# Altium PCB top_g.PcbDoc
Units mil, origin at the board's own origin, x right, y up, seen from the top; angles counter-clockwise.
Board outline 3000 x 4000 mil, 2 copper layers (Top Layer, Bottom Layer); 8 components, 29 nets, 79 pads, 4 vias.
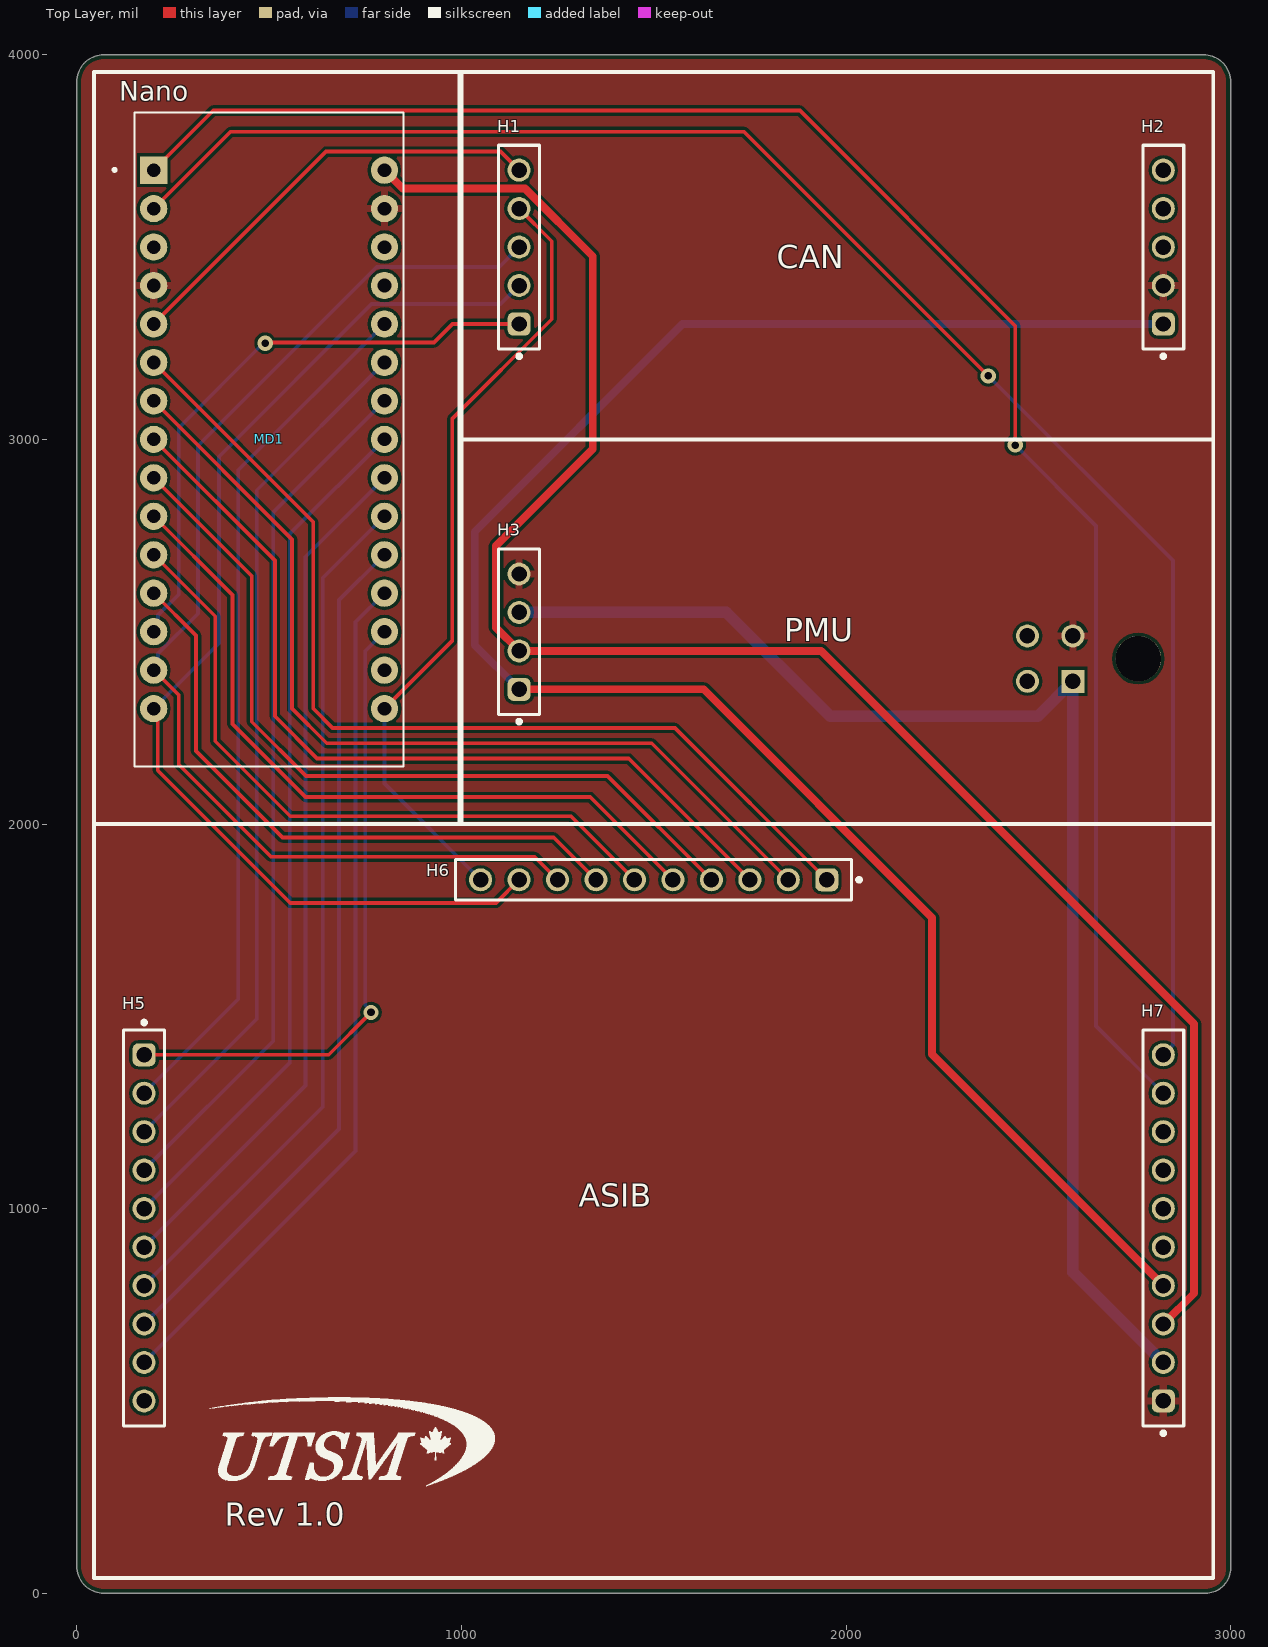
[diagram p0: Top Layer view]
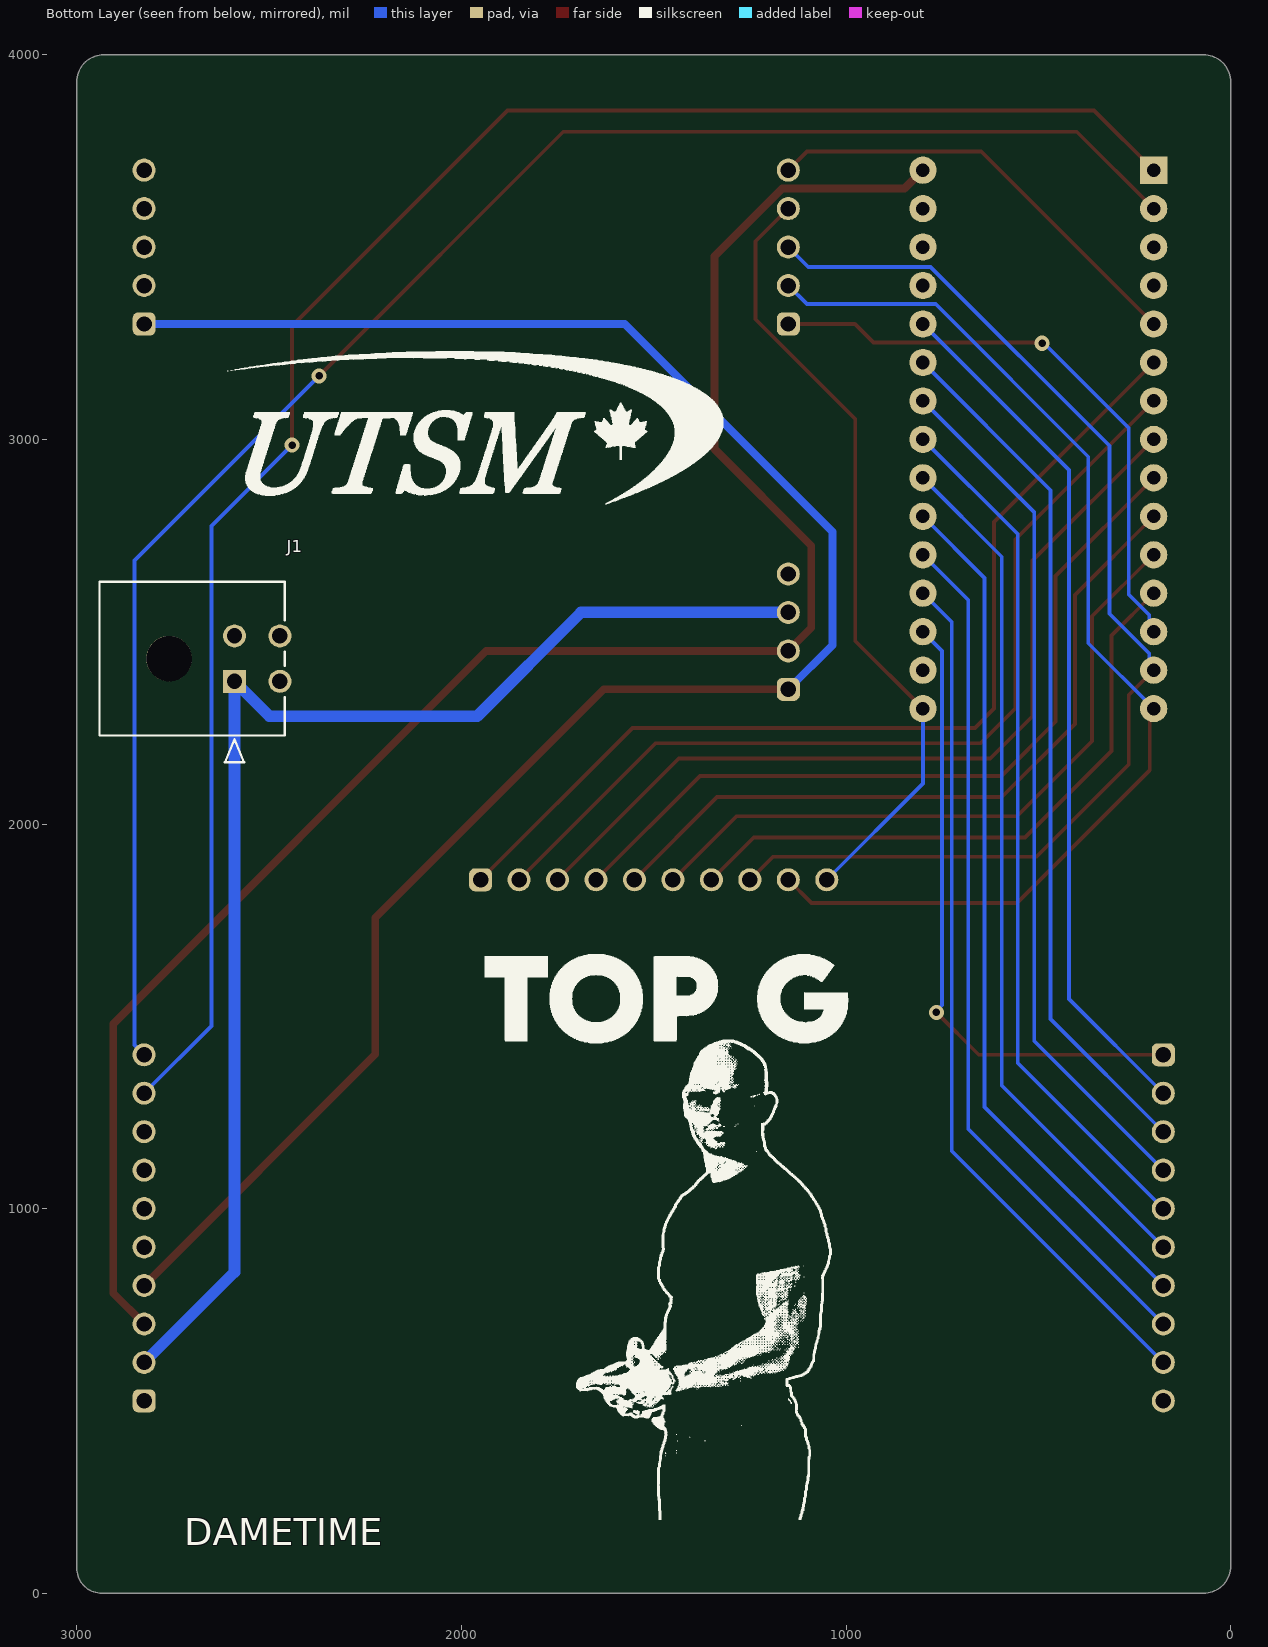
[diagram p1: Bottom Layer view, seen from below]

## Layer stack, top to bottom
Top Solder: solder mask 0.4, Solder Resist, Dk 3.5
Top Layer: signal copper 1.4
Dielectric 1: dielectric 12.6, FR-4, Dk 4.8
Bottom Layer: signal copper 1.4
Bottom Solder: solder mask 0.4, Solder Resist, Dk 3.5

## Board outline
0,70 0,3930 cw(c70,3930) 70,4000 2930,4000 cw(c2930,3930) 3000,3930 3000,65 cw(c2935,65) 2935,0 70,0 cw(c70,70)

## Design rules (kind name [scope] priority, off if disabled: settings)
BoardOutlineClearance [All] p1: gap=11.81 ignorepadtopadclearanceinfootprint=FALSE except(15.75: Arc-SplitBarrior Arc-SplitContinuation Track-SplitBarrior Track-SplitContinuation SMDPad-SplitBarrior SMDPad-SplitContinuation THPad-SplitBarrior THPad-SplitContinuation Via-SplitBarrior Via-SplitContinuation Fill-SplitBarrior Fill-SplitContinuation Poly-SplitBarrior Poly-SplitContinuation Region-SplitBarrior Region-SplitContinuation Text-SplitBarrior Text-SplitContinuation)
Clearance "Clearance Different Nets" [All] p1: gap=7.87 ignorepadtopadclearanceinfootprint=FALSE except(3.5: Arc-Arc Arc-Track Arc-SMDPad Track-Track Track-SMDPad; 5: SMDPad-SMDPad SMDPad-Via THPad-Via Via-Via; 10: Arc-Via Arc-Text Track-Via Track-Text SMDPad-Text THPad-Text Via-Text Fill-Text Poly-Text Region-Text Text-Text; 19.68: THPad-THPad Via-Hole)
Clearance "Clearance Same Nets" [All] p2: gap=7.87 ignorepadtopadclearanceinfootprint=FALSE except(3.5: Arc-Arc Arc-Track Arc-SMDPad Track-Track Track-SMDPad SMDPad-SMDPad; 5: SMDPad-Via THPad-Via; 10: Arc-Via Arc-Text Track-Via Track-Text SMDPad-Text THPad-Text Via-Via Via-Text Fill-Text Poly-Text Region-Text Text-Text)
Clearance "Clearance Bottom Layer" [OnLayer('Bottom Layer')] p3: gap=8 ignorepadtopadclearanceinfootprint=TRUE except(10: Arc-Text Track-Text SMDPad-Text THPad-Text Via-Text Fill-Text Poly-Text Region-Text Text-Text)
Clearance "Clearance Top Layer" [OnLayer('Top Layer')] p4: gap=8 ignorepadtopadclearanceinfootprint=TRUE except(10: Arc-Text Track-Text SMDPad-Text THPad-Text Via-Text Fill-Text Poly-Text Region-Text Text-Text)
HoleSize [All] p1: absolutevalues=TRUE maxlimit=248.03 minlimit=7.87 maxpercent=80.000 minpercent=20.000
MinimumAnnularRing [All] p1: minimumring=5.12
MinimumSolderMaskSliver [All] p1: minsoldermaskwidth=3.94
PolygonConnect PolygonConnect_1 [All] p1: thpad.connectstyle=Relief thpad.reliefconductorwidth=20 thpad.reliefentries=4 thpad.polygonreliefangle="90 Angle" thpad.airgapwidth=10 smdpad.connectstyle=Relief smdpad.reliefconductorwidth=20 smdpad.reliefentries=4 smdpad.polygonreliefangle="90 Angle" smdpad.airgapwidth=10 via.connectstyle=Direct via.reliefconductorwidth=20 via.reliefentries=4 via.polygonreliefangle="90 Angle" via.airgapwidth=10
RoutingCorners [All] p1: cornerstyle=Round minsetback=100 maxsetback=100
RoutingVias [All] p1: holewidth=19.68 width=39.37 viastyle="Through Hole" minholewidth=7.87 minwidth=13.78 maxholewidth=39.37 maxwidth=78.74
SilkToSilkClearance [All] p1: silktosilkclearance=3.94
SilkToSolderMaskClearance [IsPad] p1: minsilkscreentomaskgap=3.94 clearancetoexposedcopper=TRUE
SolderMaskExpansion [All] p1: expansion=4 istentingtop=FALSE
SupplyNets "Schematic Supply Nets_3" [InNet('+12V')] p1: voltage=0.000
SupplyNets "Schematic Supply Nets_2" [InNet('GND')] p2: voltage=0.000
SupplyNets "Schematic Supply Nets_1" [InNet('+7V')] p3: voltage=0.000
SupplyNets "Schematic Supply Nets" [InNet('+5V')] p4: voltage=0.000
Width [All] p1: maxlimit=100 minlimit=3.5 preferedwidth=15
25 further rules are at their usual default settings.

## Classes and differential pairs
component class U_PMU: H3
component class U_CAN: H1 H2
component class U_ASIB: H5 H6 H7
component class top_g: J1 MD1

## Components (designator, comment, footprint, x,y, rotation, side; value= is the part's Value field where it differs from the comment)
H1 "61300511821" 61300511821 1150,3500 r90 top
H2 "61300511821" 61300511821 2825,3500 r90 top
H3 "61300411821" 61300411821 1150,2500 r90 top
H5 "61301011821" 61301011821 175,950 r270 top
H6 "61301011821" 61301011821 1500,1855 r180 top
H7 "61301011821" 61301011821 2825,950 r90 top
J1 "430450400" CON_430450400_MOL 2589.92,2370.94 r270 bottom
MD1 "ARDUINO_NANO" SHIELD_ARDUINO_NANO 500,3000 r0 top

## Footprints (in the part's own frame and the unit in brackets; to place one, negate y for a bottom-side part, rotate by r counter-clockwise, add the part's x,y. Pads: shape width x height; smd on the part's side, far side on the other; paste and mask are expansions set on the pad)
61300411821 [mm] "Socket Header, Pitch 2.54 mm, THT, Vertical, single row, 4p"
  rrect50% 1.52x1.52 hole 1.02: 1(-3.81,0)
  round 1.52 hole 1.02: 2(-1.27,0) 3(1.27,0) 4(3.81,0)
  silkscreen extent -6.06,-1.35 5.46,1.35, body extent -5.33,-1.25 5.33,1.25, height 8.55
61300511821 [mm] "Socket Header, Pitch 2.54 mm, THT, Vertical, single row, 5p"
  rrect50% 1.52x1.52 hole 1.02: 1(-5.08,0)
  round 1.52 hole 1.02: 2(-2.54,0) 3(0,0) 4(2.54,0) 5(5.08,0)
  silkscreen extent -7.33,-1.35 6.73,1.35, body extent -6.6,-1.25 6.6,1.25, height 8.55
61301011821 [mm] "Socket Header, Pitch 2.54 mm, THT, Vertical, single row, 10p"
  rrect50% 1.52x1.52 hole 1.02: 1(-11.43,0)
  round 1.52 hole 1.02: 2(-8.89,0) 3(-6.35,0) 4(-3.81,0) 5(-1.27,0) 6(1.27,0) 7(3.81,0) 8(6.35,0) 9(8.89,0) 10(11.43,0)
  silkscreen extent -13.68,-1.35 13.08,1.35, body extent -12.95,-1.25 12.95,1.25, height 8.55
CON_430450400_MOL [mm]
  rect 1.52x1.52 / inner round 1.524 / far side rect 1.52x1.52 hole 1.02 paste-2539.97 mask+0.076: 1(0,0)
  round 1.52 / inner round 1.524 / far side round 1.52 hole 1.02 paste-2539.97 mask+0.076: 2(-3,0) 3(0,3) 4(-3,3)
  round 3 / inner round 1.524 / far side round 3 hole 3 unplated paste-2539.97 mask+0.076: M1(-1.5,-4.32)
  silkscreen extent -6.57,-8.92 5.35,3.32
SHIELD_ARDUINO_NANO [mm]
  rect 1.8x1.8 / inner round 1.8 / far side rect 1.8x1.8 hole 0.9: 1(-7.62,17.78)
  round 1.8 hole 0.9: 2(-7.62,15.24) 3(-7.62,12.7) 4(-7.62,10.16) 5(-7.62,7.62) 6(-7.62,5.08) 7(-7.62,2.54) 8(-7.62,0) 9(-7.62,-2.54) 10(-7.62,-5.08) 11(-7.62,-7.62) 12(-7.62,-10.16) 13(-7.62,-12.7) 14(-7.62,-15.24) 15(-7.62,-17.78) 16(7.62,-17.78) 17(7.62,-15.24) 18(7.62,-12.7) 19(7.62,-10.16) 20(7.62,-7.62) 21(7.62,-5.08) 22(7.62,-2.54) 23(7.62,0) 24(7.62,2.54) 25(7.62,5.08) 26(7.62,7.62) 27(7.62,10.16) 28(7.62,12.7) 29(7.62,15.24) 30(7.62,17.78)
  silkscreen extent -10.3,-21.59 8.89,21.59, body extent -9,-21.6 9,23.4, height 12.6

## Part data
H1 H2: "WR-PHD Socket Header, THT, Vertical, pitch 2.54mm, 1 Row, 5P", Contact Resistance=20mOhm, Manufacturer="Wurth Elektronik", Operating Temperature Max=125°C, Operating Temperature Min=-40°C, Rated Current=3A, Withstanding Voltage=500V, Working Voltage=250V, Category="Board-to-Board Connectors", ComponentLink1Description="Website Link", ComponentLink1URL=https://www.we-online.com/redexpert/article/61300511821?ad, ComponentLink2Description="Datasheet Link", ComponentLink2URL=https://www.we-online.com/redexpert/spec/61300511821?ad, Gender="Socket Header", Manufacturer Part Number=61300511821, Match Code=WR-PHD, Mount="Through Hole", Number of Pins=5, Number of Rows=1, Orientation=Vertical, Packaging=Tray, Pitch=2.54mm
H3: "WR-PHD Socket Header, THT, Vertical, pitch 2.54mm, 1 Row, 4P", Contact Resistance=20mOhm, Manufacturer="Wurth Elektronik", Operating Temperature Max=125°C, Operating Temperature Min=-40°C, Rated Current=3A, Withstanding Voltage=500V, Working Voltage=250V, Category="Board-to-Board Connectors", ComponentLink1Description="Website Link", ComponentLink1URL=https://www.we-online.com/redexpert/article/61300411821?ad, ComponentLink2Description="Datasheet Link", ComponentLink2URL=https://www.we-online.com/redexpert/spec/61300411821?ad, Gender="Socket Header", Manufacturer Part Number=61300411821, Match Code=WR-PHD, Mount="Through Hole", Number of Pins=4, Number of Rows=1, Orientation=Vertical, Packaging=Tray, Pitch=2.54mm
H5 H6 H7: "WR-PHD Socket Header, THT, Vertical, pitch 2.54mm, 1 Row, 10P", Contact Resistance=20mOhm, Manufacturer="Wurth Elektronik", Operating Temperature Max=105°C, Operating Temperature Min=-40°C, Rated Current=3A, Withstanding Voltage=500V, Working Voltage=250V, Category="Board-to-Board Connectors", ComponentLink1Description="Website Link", ComponentLink1URL=https://www.we-online.com/redexpert/article/61301011821?ad, ComponentLink2Description="Datasheet Link", ComponentLink2URL=https://www.we-online.com/redexpert/spec/61301011821?ad, Gender="Socket Header", Manufacturer Part Number=61301011821, Match Code=WR-PHD, Mount="Through Hole", Number of Pins=10, Number of Rows=1, Orientation=Vertical, Packaging=Tray, Pitch=2.54mm
J1: "No Description Available", Mfr_Name="Molex Connector Corporation", RefDes=RefDes, Type=Type
MD1: "Small, complete, and breadboard-friendly board based on the ATmega328 (Arduino Nano 3.x)", Package="Non-Standard Arduino", Availability="Not in stock", Check_prices=https://www.snapeda.com/parts/Arduino%20Nano/Arduino/view-part/?ref=eda, MF=Arduino, MP="Arduino Nano", Price=None, SnapEDA_Link=https://www.snapeda.com/parts/Arduino%20Nano/Arduino/view-part/?ref=snap

## Via types
v1: diameter 39.37, hole 19.68, Top Layer to Bottom Layer, 4 vias

## Nets (pads, with @x,y where several pads share a name; then routed paths per layer and width w, separated by ;. In a path a pad name is that pad's centre, name@x,y a point inside that pad or via, vN(x,y) a via of type N, cw(c..) or ccw(c..) an arc to the next point about the centre after c; other vN are vias at no path point)
+5V: H2.1 H3.1 H7.4 | length 4996.3
  Top Layer w20: H3.1 1630,2350 2223.69,1756.31 2223.69,1401.31 H7.4
  Bottom Layer w20: H3.1 1035,2465 1035,2760 1575,3300 H2.1
+7V: H3.2 H7.3 MD1.30 | length 4759.6
  Top Layer w20: MD1.30 847.8,3652.2 1165.39,3652.2 1341.82,3475.77 1341.82,2975 1090,2723.18 1090,2510 H3.2 1935,2450 2905,1480 2905,780 H7.3
+12V: H3.3 H7.2 J1.1 | length 3457.7
  Bottom Layer w30: H3.3 1689.04,2550 1959.04,2280 2498.98,2280 J1.1 2589.92,835.08 H7.2
A0: H5.9 MD1.19 | length 2258.9
  Bottom Layer w10: H5.9 725,1150 725,2525 MD1.19
A1: H5.8 MD1.20 | length 2258.9
  Bottom Layer w10: H5.8 682.14,1207.14 682.14,2582.14 MD1.20
A2: H5.7 MD1.21 | length 2258.9
  Bottom Layer w10: H5.7 639.64,1264.64 639.64,2639.64 MD1.21
A3: H5.6 MD1.22 | length 2258.9
  Bottom Layer w10: H5.6 595,1320 595,2695 MD1.22
A4: H5.5 MD1.23 | length 2258.9
  Bottom Layer w10: H5.5 553.57,1378.57 553.57,2753.57 MD1.23
A5: H5.4 MD1.24 | length 2258.6
  Bottom Layer w10: H5.4 510,1435 ; 510.71,1435 510.71,2810 511.43,2810.71 511.43,2811.43 MD1.24
A6: H5.3 MD1.25 | length 2258.9
  Bottom Layer w10: H5.3 467.86,1492.86 467.86,2867.86 MD1.25
A7: H5.2 MD1.26 | length 2258.9
  Bottom Layer w10: H5.2 420,1545 420,2920 MD1.26
AREF: H5.1 MD1.18 | length 1652.5
  Top Layer w10: H5.1 655,1400 v1(765,1510)
  Bottom Layer w10: v1(765,1510) 765,1513.64 750,1528.64 750,2450 MD1.18
CAN_HIGH: H2.5
CAN_LOW: H2.4
D0/RX: H7.10 MD1.2 | length 4490
  Top Layer w10: MD1.2 400,3800 1735,3800 v1(2370,3165)
  Bottom Layer w10: v1(2370,3165) 2850,2685 2850,1425 H7.10
D1/TX: H7.9 MD1.1 | length 4690.6
  Top Layer w10: MD1.1 355,3855 1880,3855 2440,3295 v1(2440,2985)
  Bottom Layer w10: v1(2440,2985) 2650,2775 2650,1475 H7.9
D2/INT: H1.5 MD1.5 | length 1158.6
  Top Layer w10: MD1.5 205,3300 205,3305 648.31,3748.31 1101.69,3748.31 H1.5
D3: H6.1 MD1.6 | length 2591.2
  Top Layer w10: MD1.6 615,2785 615,2300 665,2250 1555,2250 H6.1
D4: H6.2 MD1.7 | length 2423.4
  Top Layer w10: MD1.7 560,2740 560,2300 650,2210 1495,2210 H6.2
D5: H6.3 MD1.8 | length 2261.5
  Top Layer w10: MD1.8 515,2685 515,2280 625,2170 1435,2170 H6.3
D6: H6.4 MD1.9 | length 2104.9
  Top Layer w10: MD1.9 455,2645 455,2265.86 595.86,2125 1380,2125 H6.4
D7: H6.5 MD1.10 | length 1937.7
  Top Layer w10: MD1.10 405,2595 405,2260 595,2070 1335,2070 H6.5
D8: H6.6 MD1.11 | length 1790.4
  Top Layer w10: MD1.11 360,2540 360,2215 555,2020 1285,2020 H6.6
D9/CS1: H6.7 MD1.12 | length 1634.3
  Top Layer w10: MD1.12 310,2490 310,2190 535,1965 1240,1965 H6.7
D10/CS0: H1.1 MD1.13 | length 1553.8
  Top Layer w10: v1(490,3250) 491.69,3251.69 928.76,3251.69 977.07,3300 H1.1
  Bottom Layer w10: MD1.13 211.65,2511.65 211.65,2543.33 265,2596.68 265,3030 485,3250 v1(490,3250)
D11/MOSI: H1.3 H6.8 MD1.14 | length 3061.2
  Top Layer w10: MD1.14 265,2335 265,2155 505,1915 1190,1915 H6.8
  Bottom Layer w10: MD1.14 211.65,2411.65 211.65,2443.33 315,2546.68 315,2983.32 779.99,3448.31 1098.31,3448.31 H1.3
D12/MISO: H1.2 H6.9 MD1.15 | length 2961.6
  Top Layer w10: MD1.15 210.43,2289.57 210.43,2139.57 555,1795 1090,1795 H6.9
  Bottom Layer w10: MD1.15 370,2470 370,2955 766.69,3351.69 1101.69,3351.69 H1.2
D13/SCK: H1.4 H6.10 MD1.16 | length 2063.9
  Top Layer w10: MD1.16 976.05,2476.05 976.05,3053.23 1235,3312.18 1235,3515 H1.4
  Bottom Layer w10: MD1.16 800,2105 H6.10
GND: H2.2 H3.4 H7.1 J1.2 MD1.4 MD1.29
pads on no net: H2.3 H5.10 H7.5 H7.6 H7.7 H7.8 J1.3 J1.4 J1.M1 MD1.3 MD1.17 MD1.27 MD1.28

## Polygon pours and split planes (outlines as drawn)
GND on Top Layer "Ground_Plane" (solid, pour order 0): 0,0 3000,0 3000,4000 0,4000

## Silkscreen, mask and mechanical layers (free items; w line width, h text height)
Top Overlay:
  drawing of 25 lines, arcs and shapes, not listed
  text "Nano" at 110,3880 h50
  text "CAN" at 1820,3445 h60
  text "PMU" at 1840,2475 h60
  text "ASIB" at 1305,1005 h60
  text "Rev 1.0" at 385,175 h60
Bottom Overlay:
  drawing of 273 lines, arcs and shapes, not listed
  text "DAMETIME" at 2720,125 h70
Mechanical 1:
  lines w10: 0,70 ccw(c70,70) 70,0 2935,0 ccw(c2935,65) 3000,65 3000,3930 ccw(c2930,3930) 2930,4000 70,4000 ccw(c70,3930) 0,3930 0,2425 0,70
Mechanical 13:
  lines w10: 75,70 2925,70 2925,1955 75,1955 75,70 ; 1050,2050 2925,2050 2925,2950 1050,2950 1050,2050 ; 1050,3050 2925,3050 2925,3925 1050,3925 1050,3050